# KiCad board s100_ColorMagic-1.0-001.kicad_pcb (continued)
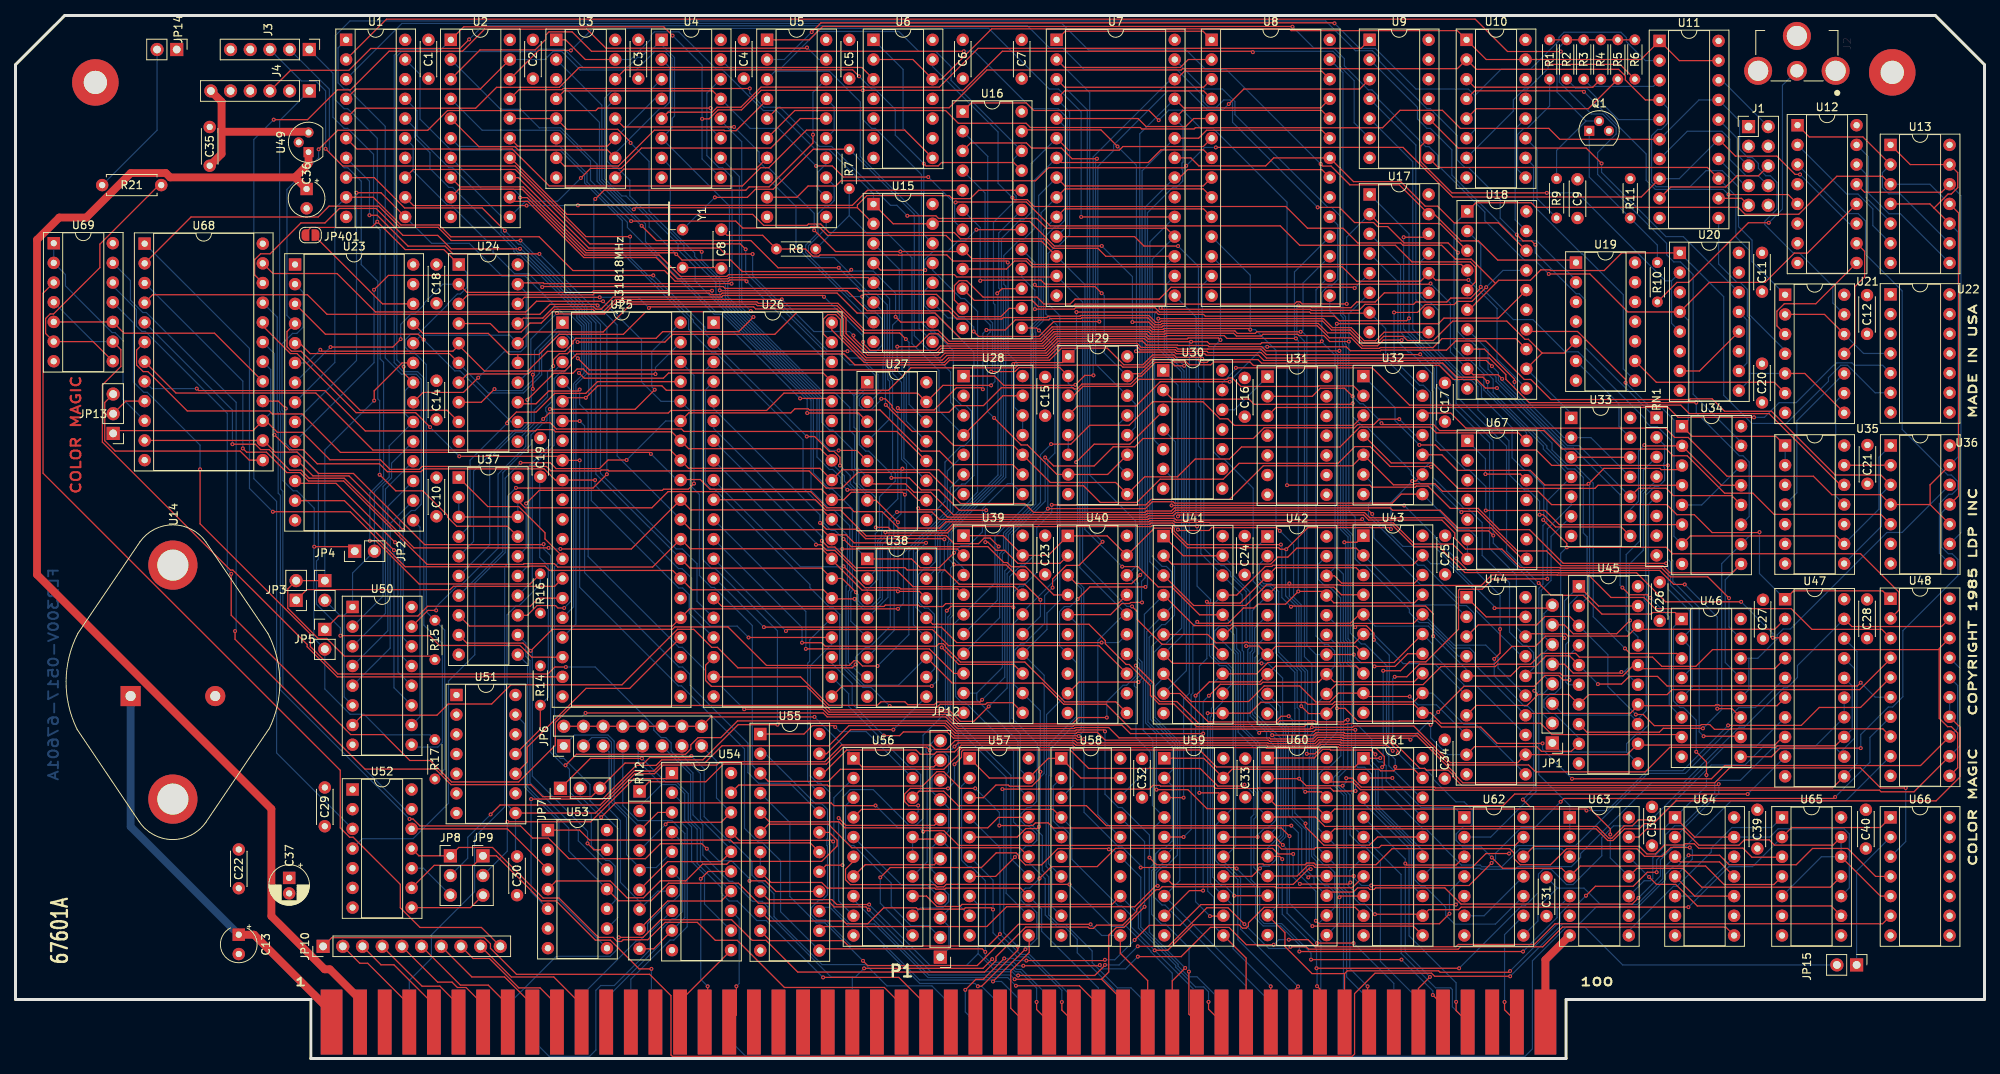
[diagram p0: board, top side]
## Routing (per net, layer and track width the routed paths; a pad name or vN(x,y) marks a point on that pad's centre or on a via; arc(x,y) is an arc through that point) (continued)
Net-(U21-Pad12): length 15.7
  Component w0.152: U21.2 233.36,96.04 U21.12
  Copper w0.152: U21.12 238.4,91 U22.4
Net-(U22-Pad5): length 84.9
  Component w0.152: v1(224.26,82.76) 214.46,82.76 213.19,84.03 162.61,84.03 161.51,82.92
  Copper w0.152: U22.5 240.86,89.48 237.21,89.48 236.9,89.78 234.92,89.78 234.75,89.6 234.75,89.48 234.53,89.48 229.7,84.65 227.51,84.65 225.62,82.76 v1(224.26,82.76)
Net-(U25-Pad1): length 38.7
  Component w0.152: v1(66.74,88.27) v1(66.74,86.42)
  Copper w0.152: U37.6 61.17,66.27 61.17,77.46 64.53,80.83 65.37,80.83 66.53,81.99 66.53,86.21 v1(66.74,86.42) ; U25.1 66.95,91.37 66.95,88.48 v1(66.74,88.27)
Net-(U25-Pad2): length 36.2
  Copper w0.152: U37.14 66.67,61.61 66.67,76.34 69.48,79.15 69.48,87.75 70.36,88.63 70.77,88.63 71.63,89.49 71.63,91.37 U25.2
Net-(U25-Pad3): length 36
  Copper w0.152: U37.7 62.86,65.42 62.86,75.62 66.5,79.25 66.5,80.47 68.09,82.06 68.28,82.06 68.56,82.34 68.56,83.41 68.39,83.57 68.39,83.99 69.17,84.77 69.17,88.4 70.56,89.79 U25.3
Net-(U25-Pad4): length 36.7
  Component w0.152: U37.13 66.02,57.2 67.28,58.46 69.67,58.46 69.97,58.15 v1(70.78,58.15)
  Copper w0.152: U25.4 71.67,86.25 71.67,59.04 v1(70.78,58.15)
Net-(U25-Pad37): length 42
  Component w0.152: U25.37 75.07,87.36 73.56,85.85 69.57,85.85 67.15,83.43 64.61,83.43 63.41,82.23 v1(63.41,81.99)
  Copper w0.152: v1(63.41,81.99) 58.64,77.22 58.64,68.82 U37.4
Net-(U25-Pad38): length 46.4
  Component w0.152: v1(65.87,71.64) 67.56,73.32 83.45,73.32 83.6,73.48 86.79,73.48 v1(87.52,74.21)
  Copper w0.152: U25.38 87.52,88.18 v1(87.52,74.21) ; v1(65.87,71.64) 65.87,65.89 U37.16
Net-(U25-Pad39): length 48.2
  Component w0.152: v1(66.03,85.02) 69.46,88.44 71.89,88.44 72.44,88.99 73.23,88.99 73.89,88.34 v1(82.55,88.34)
  Copper w0.152: U37.5 59.09,66.73 59.09,75.81 64.41,81.13 65.24,81.13 66.03,81.92 v1(66.03,85.02) ; v1(82.55,88.34) 82.55,89.19 U25.39
Net-(U25-Pad40): length 48.2
  Component w0.152: v1(82.46,86.32) 79.93,83.79 68.97,83.79 v1(68.94,83.82)
  Copper w0.152: v1(82.46,86.32) 82.07,86.71 82.07,91.25 U25.40 ; v1(68.94,83.82) 68.94,79.17 66.35,76.59 66.35,63.83 U37.15
Net-(U28-Pad6): length 118.9
  Component w0.152: U53.13 74.61,26.94 v1(73.79,27.76) ; U37.9 58.22,53.62 65.47,53.62 v1(66.47,52.62) 69.24,55.4 84.75,55.4 85.05,55.7 91.91,55.7 96.88,50.73 107.56,50.73 108.17,51.35 108.57,51.35 109.26,50.66 v1(111.2,50.66)
  Copper w0.152: U28.6 120.58,73.66 120.58,70.69 117.42,67.53 117.29,67.53 115.24,65.48 115.24,54.7 v1(111.2,50.66) ; v1(73.79,27.76) 73.79,29.33 66.67,36.45 66.67,52.42 v1(66.47,52.62)
Net-(U30-Pad1): length 101.5
  Component w0.152: v1(221.04,59.43) 218.3,62.17 213.48,62.17 212.35,63.3 199.27,63.3 199.2,63.37 194.12,63.37 191.74,65.75 187.06,65.75 185.67,67.14 185.67,67.83 184.01,69.49 174.56,69.49 173.9,70.15 150.13,70.15 v1(149.95,69.97)
  Copper w0.152: v1(149.95,69.97) 149.95,86.9 U30.1 ; U46.15 221.04,55.7 v1(221.04,59.43)
Net-(U30-Pad4): length 102.6
  Component w0.152: v1(176.3,37.61) 176.57,37.89 176.57,38.99 175.44,40.12 170.76,40.12 170.65,40.23 168.52,40.23 167.61,39.32 v1(166.58,39.32) ; v1(149.95,68.27) 150.07,68.15 153.95,68.15 154.33,68.52 162.67,68.52 v1(163.09,68.1)
  Copper w0.152: v1(149.95,68.27) 149.47,68.75 149.47,70.17 149.63,70.34 149.63,79.6 U30.4 ; v1(166.58,39.32) 166.67,39.42 166.67,50.01 165.86,50.83 165.86,58.57 164.88,59.55 164.88,66.32 v1(163.09,68.1) ; v1(176.3,37.61) 176.3,34.89 181.57,29.62 181.96,29.62 183.95,27.63 183.95,27.54 186.52,24.97 188.95,24.97 189.17,24.75 191.73,24.75 194.05,27.07 199.47,27.07 U63.3
Net-(U30-Pad12): length 7.6
  Copper w0.152: U30.12 157.23,83.72 U31.1
Net-(U31-Pad2): length 88.2
  Component w0.152: U31.2 167.29,85.46 168.33,86.51 171.44,86.51 v1(172.49,85.47) ; v1(176.21,81.99) 176.38,81.82 182.94,81.82 183.7,81.05 197.14,81.05 199.53,78.67 212.94,78.67 213.81,77.8 215.64,77.8 220.48,72.96 224.12,72.96 226.86,70.23 240.63,70.23 U36.5
  Copper w0.152: v1(172.49,85.47) 173.44,84.51 173.83,84.51 176.21,82.14 v1(176.21,81.99)
Net-(U32-Pad4): length 44.1
  Component w0.152: U32.4 177.47,76.87 182.8,76.87 186.08,73.59 203.75,73.59 204.15,73.99 U34.4
Net-(U32-Pad6): length 31.6
  Component w0.152: U44.1 189.72,57 U44.19
  Copper w0.152: U32.6 174.99,74.27 174.99,72.08 174.53,71.63 174.53,70.06 180.92,63.67 181.69,63.67 185.82,59.54 U44.1
Net-(U33-Pad6): length 44.8
  Copper w0.152: U33.6 198.09,67.39 198.09,61.71 196.81,60.43 196.81,47.24 196.5,46.93 196.5,36.64 200.5,32.64 U63.1 U63.2
Net-(U33-Pad8): length 73.9
  Component w0.152: U33.8 207.14,68.6 198.67,68.6 197.08,70.19 v1(196.61,70.19)
  Copper w0.152: v1(196.61,70.19) 196.61,71.91 195.15,73.37 194.68,73.37 192.65,75.4 192.65,79.72 188.64,83.72 188.64,86.72 187.78,87.58 186.83,87.58 180.25,94.16 180.25,115.75 U9.5
Net-(U33-Pad9): length 24.6
  Component w0.152: v1(210.12,79.17) 210.22,79.07 U34.2 220.06,73.99 U34.13
  Copper w0.152: U33.9 208.3,70.85 209.37,71.92 209.37,78.42 v1(210.12,79.17)
Net-(U34-Pad14): length 9.7
  Copper w0.152: U34.5 217.52,71.45 U34.14
Net-(U37-Pad11): length 194.6
  Component w0.152: v1(164.47,14.42) 166.51,14.42 166.82,14.11 186.1,14.11 186.4,14.42 197.01,14.42 199.55,16.96 220.62,16.96 U64.8 ; U53.11 77.8,20.36 81.98,20.36 84.25,22.63 93.26,22.63 95.84,20.05 105.12,20.05 105.6,19.57 109.71,19.57 v1(110.07,19.21) ; v1(144.77,14.48) 148.71,14.48 153.69,19.46 156.41,19.46 v1(158.53,17.34) ; v1(140.54,12.08) 140.54,12.04 139.21,10.71 v1(129.34,10.71)
  Copper w0.152: v1(110.07,19.21) 118.08,11.2 128.56,11.2 129.04,10.71 v1(129.34,10.71) ; v1(164.47,14.42) 164.26,14.2 161.67,14.2 v1(158.53,17.34) ; v1(140.54,12.08) 142.36,12.08 v1(144.77,14.48) ; U53.11 71.37,26.79 71.37,29.74 66.06,35.05 66.06,50.86 U37.11
Net-(U37-Pad12): length 35
  Copper w0.152: U53.12 72.6,28.1 72.6,29.36 66.36,35.6 66.36,51.36 65.83,51.89 65.83,53.63 U37.12
Net-(U51-Pad13): length 35
  Copper w0.152: U51.13 65.67,43.21 65.67,35.01 70.1,30.58 70.1,20.44 U53.8
Net-(U52-Pad12): length 19.8
  Component w0.152: U53.3 63.44,29.64 U52.12
Net-(U62-Pad11): length 9.7
  Copper w0.152: U62.6 189.44,18.42 U62.11
Net-(U63-Pad8): length 26.7
  Copper w0.152: U63.8 208.12,16.48 213.87,22.23 214.33,22.23 218.75,26.65 218.75,27.14 221.43,29.81 226.57,29.81 U65.1
Net-(U63-Pad12): length 30.5
  Component w0.152: v1(210.73,23.43) 211.69,22.47 214.17,22.47 216.95,19.69 234.23,19.69 U65.9
  Copper w0.152: U63.12 210.73,23.43 v1(210.73,23.43)
Net-(U63-Pad13): length 50.4
  Component w0.152: U63.13 209.38,28.58 210.41,29.61 215.09,29.61 217.17,27.53 222.33,27.53 223.01,28.22 226.23,28.22 226.91,27.54 234.46,27.54 U65.13 ; U65.12 240.58,20.96 U66.5
  Copper w0.152: U65.5 232.96,26.04 U65.12 U65.13
Net-(U64-Pad12): length 9.7
  Copper w0.152: U64.5 216.62,20.96 U64.12
Net-(U67-Pad1): length 10.9
  Component w0.152: v1(189.63,75.43) 194.13,75.43 U67.12
  Copper w0.152: v1(189.63,75.43) 189.63,77.39 U67.1
Net-(U68-Pad10): length 28
  Copper w0.152: U68.10 13.87,85.1 13.87,92.66 12.84,93.69 12.47,93.69 6.44,99.72 6.44,101.18 U69.2 U69.1
Net-(U68-Pad17): length 30.2
  Component w0.152: U69.5 U69.10 14.01,93.61 25.68,93.61 U68.17

## Copper pours and planes (outline as drawn; the poured copper is in the pictures)
GND on In2.Cu: 237.7,122.68 252.7,122.68 252.5,8.88 1.7,8.88 1.7,121.28 14.9,121.28 14.9,132.98 237.7,133.08
VCC on In1.Cu: 237.65,122.68 252.65,122.68 252.45,8.88 1.65,8.88 1.65,121.28 14.85,121.28 14.85,132.98 237.65,133.08

## Text on the board
Copper: FLB300V-0517-67601A
Component: COLOR MAGIC
F.Silkscreen: 1 | 100 | MADE IN USA | COPYRIGHT 1985 LDP INC | COLOR MAGIC | 67601A
